# Altium PCB Payload_PCB.PcbDoc (continued)
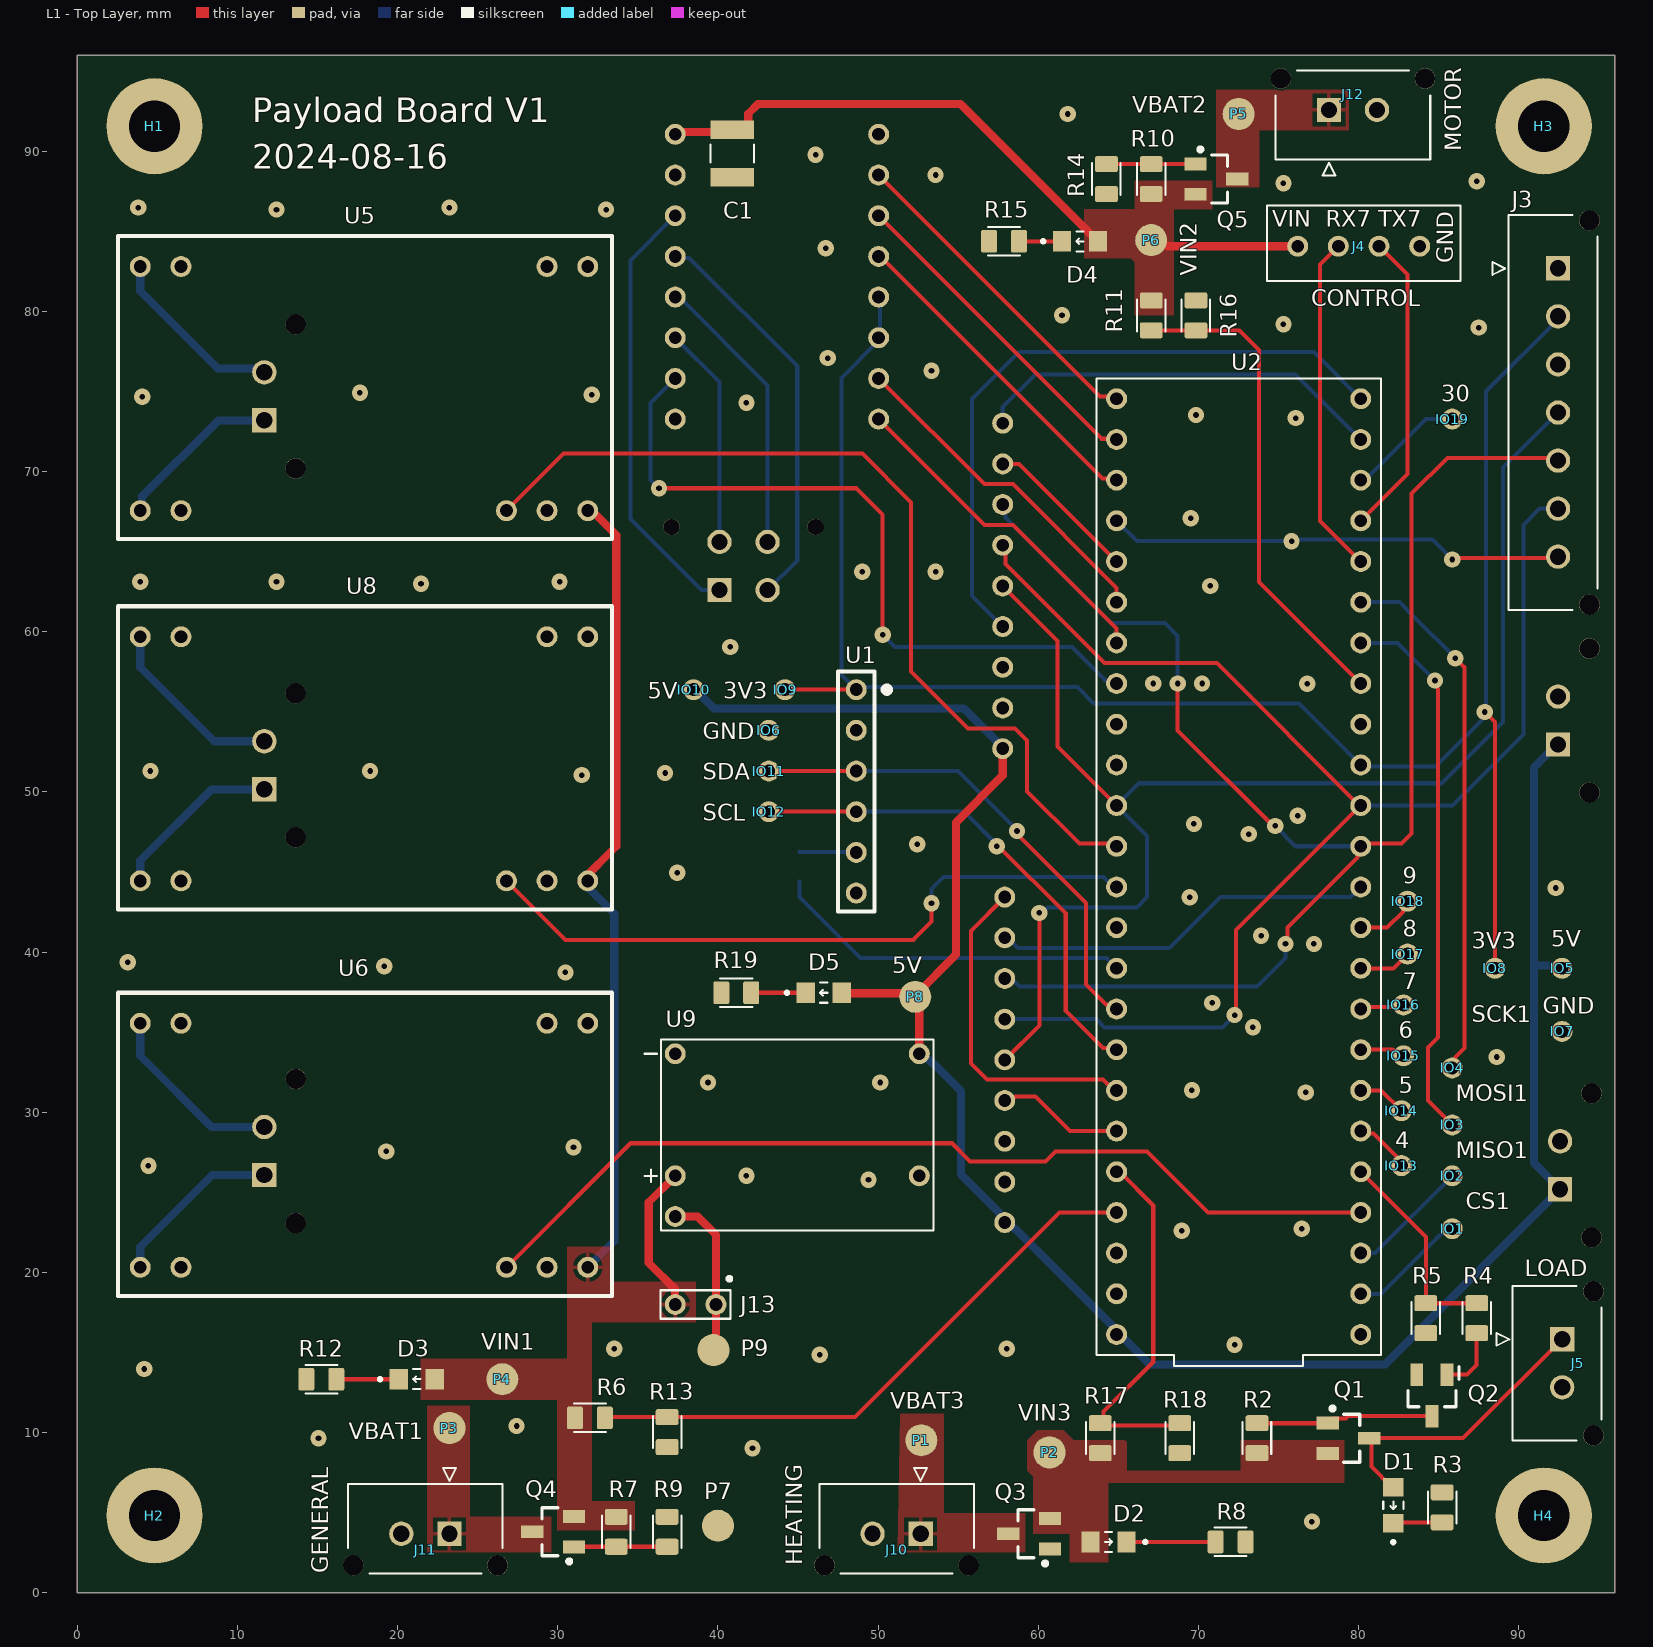
[diagram p0: L1 - Top Layer view]
## Part data (continued)
P1 P2 P3 P4 P5 P6 P7 P8 P9: "Phosphor Bronze Contact Miniature Silver Plated Surface Mount Test Points", Manufacturer="Keystone Electronics", Manufacturer Part Number=5019, Package Quantity=1, Supplier Part Number 1=06W4636, Body Material=Bronze, Category=Connectors, ComponentLink1Description=https://datasheet.ciiva.com/16318/m60-2p61-16318395.pdf?src-supplier=Future+Electronics, ComponentLink1URL=https://datasheet.ciiva.com/16318/m60-2p61-16318395.pdf?src-supplier=Future+Electronics, ComponentLink2Description=https://datasheet.ciiva.com/16885/70182998-16885945.pdf?src-supplier=Allied+Electronics, ComponentLink2URL=https://datasheet.ciiva.com/16885/70182998-16885945.pdf?src-supplier=Allied+Electronics, ComponentLink3Description=https://datasheet.ciiva.com/14848/m60-2p61-14848437.pdf?src-supplier=Digi-Key, ComponentLink3URL=https://datasheet.ciiva.com/14848/m60-2p61-14848437.pdf?src-supplier=Digi-Key, ComponentLink4Description=https://datasheet.ciiva.com/14848/m60-2p61-14848438.pdf?src-supplier=Digi-Key, ComponentLink4URL=https://datasheet.ciiva.com/14848/m60-2p61-14848438.pdf?src-supplier=Digi-Key, ComponentLink5Description=https://datasheet.ciiva.com/14848/m60-2p61-14848439.pdf?src-supplier=Digi-Key, ComponentLink5URL=https://datasheet.ciiva.com/14848/m60-2p61-14848439.pdf?src-supplier=Digi-Key, Contact Material=Bronze, Contact Plating=Silver, Height=0.09inch, Lead Free="Lead Free", Material=Bronze, Mount="Surface Mount,PCB", Number of Pins=1, Packaging="Tape and Reel", Plating=Silver, Pricing 1="1=0.12300, 1000=0.12300, 2000=0.11700, 4000=0.11300, 6000=0.11000 (USD)", Reach SVHC Compliant=Yes, RoHS=Yes, RoHS Compliant=Yes, Series=5019, Stock 1=148000, Supplier 1=Newark, Termination=SMD/SMT
Q1 Q3 Q4 Q5: "Small Signal Field-Effect Transistor, 4.3A I(D), 30V, 1-Element, P-Channel, Silicon, Metal-oxide Semiconductor FET", Drain Current-Max (Abs) (ID)=4.3A, Drain-source On Resistance-Max=48mR, DS Breakdown Voltage-Min=30V, Manufacturer="Alpha & Omega Semiconductor", Max Operating Temperature=150°C, Operating Mode="ENHANCEMENT MODE", Package Body Material=Plastic, Package Shape=Rectangular, Package Style="SMALL OUTLINEMeter", Power Dissipation-Max (Abs)=1.4W, Supplier Part Number=785-1006-1-ND, Category=MOSFETs, ComponentLink1Description=https://datasheet.ciiva.com:443/pdfs/VipMasterIC/IC/ALOM/ALOMS01464/ALOMS01464-1.pdf?src-supplier=IHS+Markit, ComponentLink1URL=https://datasheet.ciiva.com:443/pdfs/VipMasterIC/IC/ALOM/ALOMS01464/ALOMS01464-1.pdf?src-supplier=IHS+Markit, ComponentLink2Description=https://datasheet.ciiva.com/940/ao3407a-940745.pdf?src-supplier=Digikey, ComponentLink2URL=https://datasheet.ciiva.com/940/ao3407a-940745.pdf?src-supplier=Digikey, ComponentLink3Description=https://datasheet.ciiva.com/940/ao3407a-940747.pdf?src-supplier=Digikey, ComponentLink3URL=https://datasheet.ciiva.com/940/ao3407a-940747.pdf?src-supplier=Digikey, ComponentLink4Description=https://datasheet.ciiva.com/18057/getdatasheetpartid-64436-18057110.pdf?src-supplier=Verical, ComponentLink4URL=https://datasheet.ciiva.com/18057/getdatasheetpartid-64436-18057110.pdf?src-supplier=Verical, Drain Current-Max (ID)=4.3A, Feedback Cap-Max (Crss)=90pF, FET Technology="METAL-OXIDE SEMICONDUCTOR", JESD-30 Code=R-PDSO-G3, JESD-609 Code=e3, Manufacturer Part Number=AO3407A, Moisture Sensitivity Level=1, Number of Elements=1, Pins=3, Polarity/Channel Type=P-CHANNEL, Pricing="1=0.31, 10=0.22, 100=0.1112, 500=0.09854, 1000=0.07668 (USD)", Qualification Status="Not Qualified", Reach SVHC Compliant=Yes, RoHS=Yes, RoHS Compliant=Yes, Stock=856157, Supplier=Digikey, Surface Mount=Yes, Terminal Finish=Tin, Terminal Form="Gull Wing", Terminal Position=DUAL, Transistor Application=SWITCHING, Transistor Element Material=SILICON
Q2: library part BSS123_1, "Small Signal Field-Effect Transistor, 0.17A I(D), 100V, 1-Element, N-Channel, Silicon, Metal-oxide Semiconductor FET, TO-236", Drain Current-Max (Abs) (ID)=170mA, Drain-source On Resistance-Max=10R, DS Breakdown Voltage-Min=100V, Manufacturer="ON Semiconductor / Fairchild", Max Operating Temperature=150°C, Operating Mode="ENHANCEMENT MODE", Package Body Material=Plastic, Package Shape=Rectangular, Package Style="SMALL OUTLINEMeter", Power Dissipation-Max (Abs)=360mW, Supplier Part Number=BSS123NCT-ND, Category=MOSFETs, ComponentLink1Description=https://datasheet.ciiva.com:443/pdfs/VipMasterIC/IC/ONSM/ONSM-S-A0003158648/ONSM-S-A0003544094-1.pdf?src-supplier=IHS+Markit, ComponentLink1URL=https://datasheet.ciiva.com:443/pdfs/VipMasterIC/IC/ONSM/ONSM-S-A0003158648/ONSM-S-A0003544094-1.pdf?src-supplier=IHS+Markit, Drain Current-Max (ID)=170mA, Feedback Cap-Max (Crss)=6pF, FET Technology="METAL-OXIDE SEMICONDUCTOR", JESD-30 Code=R-PDSO-G3, Manufacturer Part Number=BSS123, Moisture Sensitivity Level=1, Number of Elements=1, Pins=3, Polarity/Channel Type=N-CHANNEL, Pricing="1=0.35, 10=0.246, 100=0.1244, 500=0.10144, 1000=0.07527 (USD)", Qualification Status="Not Qualified", Reach SVHC Compliant=Yes, RoHS=Yes, RoHS Compliant=Yes, Stock=15036, Supplier=Digikey, Surface Mount=Yes, Terminal Form="Gull Wing", Terminal Position=DUAL, Transistor Application=SWITCHING, Transistor Element Material=SILICON
R1 R2 R3 R4 R5 R6 R7 R8 R9 R10 R11 R12 R13 R14 R15 R16 R17 R18 R19: library part "Resistor 0805", Package=0805, Power_Rating=".25 W", Resistance=.39, Tolerance=1%, Availability=Unavailable, EU_RoHS_Compliance="Compliant with Exemptions", MF="TE Connectivity", MP=2-2176053-2, Price=None, SnapEDA_Link=https://www.snapeda.com/parts/2-2176053-2/TE%20Connectivity/view-part/2214511/?ref=snap
U1: "10 DOF IMU Sensor, ICM20948 Onboard, Low Power, High Precision"
U2: "iMXRT1062 Microcontroller Development Board 600MHz CPU 1GB RAM 8MB Flash", Manufacturer=SparkFun, Manufacturer Part Number=DEV-16771, Supplier Part Number=1568-DEV-16771-ND, Category="Embedded Processors and Controllers", ComponentLink1Description=https://media.digikey.com/pdf/Data%20Sheets/Sparkfun%20PDFs/DEV-16771_Web.pdf?src-supplier=Digikey, ComponentLink1URL=https://media.digikey.com/pdf/Data%20Sheets/Sparkfun%20PDFs/DEV-16771_Web.pdf?src-supplier=Digikey, Pricing="1=37.2 (USD)", RoHS=No, Stock=2404, Supplier=Digikey
U3: "Banana Plug; Female to Multi-Stacking Banana Plug; Nickel Plated Brass", Manufacturer="Adafruit Industries", Manufacturer Part Number=3072, Supplier Part Number=1528-1667-ND, Category="RF Semiconductors and Devices", ComponentLink1Description=https://learn.adafruit.com/downloads/pdf/adafruit-rfm69hcw-and-rfm96-rfm95-rfm98-lora-packet-padio-breakouts.pdf?src-supplier=Digikey, ComponentLink1URL=https://learn.adafruit.com/downloads/pdf/adafruit-rfm69hcw-and-rfm96-rfm95-rfm98-lora-packet-padio-breakouts.pdf?src-supplier=Digikey, Pricing="1=19.95 (USD)", RoHS=No, Stock=109, Supplier=Digikey
U4: "Adafruit RFM95W LoRa Radio Transceiver Breakout - 868 or 915 MHz", Manufacturer="Adafruit Industries", Manufacturer Part Number=3072, Supplier Part Number=1528-1667-ND, Category="RF Semiconductors and Devices", ComponentLink1Description=https://learn.adafruit.com/downloads/pdf/adafruit-rfm69hcw-and-rfm96-rfm95-rfm98-lora-packet-padio-breakouts.pdf?src-supplier=Digikey, ComponentLink1URL=https://learn.adafruit.com/downloads/pdf/adafruit-rfm69hcw-and-rfm96-rfm95-rfm98-lora-packet-padio-breakouts.pdf?src-supplier=Digikey, Pricing="1=19.95 (USD)", RoHS=No, Stock=109, Supplier=Digikey
U5 U6 U8: "LED DC/DC Converter 10-56Vdc Input, 700mA Output, Board mount", Manufacturer="Mean Well", Supplier Part Number=1866-NLDD-700H-ND, ComponentLink1Description=https://datasheet.octopart.com/NLDD-700H-Mean-Well-datasheet-158237201.pdf?src-supplier=Component+Distributors+Inc., ComponentLink1URL=https://datasheet.octopart.com/NLDD-700H-Mean-Well-datasheet-158237201.pdf?src-supplier=Component+Distributors+Inc., Manufacturer Part Number=NLDD-700H, Pricing="1=5.45 (USD)", RoHS=No, Stock=280, Supplier=Digikey
U7: "DRV8825 Stepper Motor Driver Carrier, High Current"
U9: "3-15VDC to 5VDC Step Down Regulator/Converter Module @ 600mA"

## Via types
v1: diameter 1.016, hole 0.35, L1 - Top Layer to L4 - Bottom Layer, tented both sides, 87 vias

## Nets (pads, with @x,y where several pads share a name; then routed paths per layer and width w, separated by ;. In a path a pad name is that pad's centre, name@x,y a point inside that pad or via, vN(x,y) a via of type N, cw(c..) or ccw(c..) an arc to the next point about the centre after c; other vN are vias at no path point)
+3V3: IO8.1 IO9.1 J3.2 U1.1 U2.15 U7.5 U7.6 | length 116.2
  L1 - Top Layer w0.254: IO9.1 U1.1 ; v1(87.884,54.991) 88.519,54.356 IO8.1
  L4 - Bottom Layer w0.254: U1.1 48.626,56.388 47.711,57.304 47.711,75.846 50.038,78.173 U7.6 50.124,78.445 50.124,80.813 U7.5 ; U1.1@48.641,56.396 48.786,56.542 62.443,56.542 63.459,55.526 76.286,55.526 80.122,51.689 U2.15 80.237,51.589 84.795,51.589 87.738,54.532 87.738,54.853 v1@87.876,54.991 ; v1(87.884,54.991) 87.97,55.077 87.97,75.019 92.456,79.505 J3.2
+5V: D5.2 IO5.1 IO10.1 J1.1 J2.1 P8.1 U2.48 U3.1 U4.1 U9.5 | length 133
  L1 - Top Layer w0.508: D5.2@47.732,37.465 47.765,37.432 52.101,37.432 52.322,37.211 52.322,37.305 54.862,39.845 54.862,48.1 57.783,51.021 U3.1@57.783,52.705 ; U9.5@52.576,33.655 P8.1@52.576,36.43
  L4 - Bottom Layer w0.508: IO10.1@38.479,56.388 IO10.1 38.573,56.388 39.749,55.212 55.37,55.212 57.783,52.799 U3.1@57.783,52.705 ; U9.5@52.579,33.654 52.793,33.654 53.401,33.045 53.459,33.045 55.186,31.318 55.186,26.111 57.554,23.743 57.554,23.688 57.911,23.332 U4.1@57.911,23.114 ; U4.1@57.913,23.113 58.13,23.113 58.535,22.707 58.589,22.707 64.744,16.553 64.744,16.279 U2.48@64.896,16.128 ; U2.48@64.898,16.128 65.115,16.128 66.978,14.264 81.655,14.264 92.077,24.686 92.077,24.688 92.581,25.192 J1.1@92.583,25.192 ; J2.1 91.95,52.453 91.901,52.453 91.652,52.205 91.626,52.205 90.944,51.523 90.944,39.156 ; J1.1 90.944,26.833 90.944,39.156 ; IO5.1@92.707,38.989 92.554,39.142 92.025,39.142 92.011,39.156 90.944,39.156
A1: J6.4 U7.12 | length 17.8
  L4 - Bottom Layer w0.254: U7.12 37.592,80.899 43.101,75.39 J6.4
A2: J6.3 U7.11 | length 13.9
  L4 - Bottom Layer w0.254: U7.11 40.101,75.596 J6.3
B1: J6.2 U7.13 | length 25.2
  L4 - Bottom Layer w0.254: U7.13 37.435,83.342 38.197,83.342 44.958,76.581 44.958,64.465 J6.2
B2: J6.1 U7.14 | length 27.5
  L4 - Bottom Layer w0.254: U7.14 34.544,83.185 34.544,67.056 38.992,62.608 J6.1
CS: U2.12 U4.8 | length 24.1
  L4 - Bottom Layer w0.254: U4.8 58.113,40.894 58.748,40.259 68.199,40.259 71.374,43.434 79.502,43.434 U2.12
CS1: IO1.1 U2.2 | length 7.1
  L4 - Bottom Layer w0.254: U2.2 81.407,18.669 85.184,22.446 85.279,22.446 85.365,22.531 85.419,22.531 IO1.1@85.598,22.352
CS_1: U2.29 U3.8 | length 9.6
  L1 - Top Layer w0.254: U3.8 58.801,70.485 U2.29
CS_2: J3.7 U2.28 | length 28.6
  L1 - Top Layer w0.254: v1(85.852,64.516) 85.94,64.604 92.368,64.604 J3.7
  L4 - Bottom Layer w0.254: U2.28 66.167,65.659 v1(75.819,65.659) ; v1@75.918,65.758 84.61,65.758 v1(85.852,64.516)
G0: U2.43 U4.4 | length 8
  L1 - Top Layer w0.254: U4.4 58.114,30.936 58.535,30.936 58.588,30.988 59.817,30.988 61.976,28.829 U2.43
G0_1: U2.24 U3.4 | length 41.7
  L4 - Bottom Layer w0.254: U3.4 55.88,62.23 55.88,74.549 58.801,77.47 77.216,77.47 U2.24
GND: C1.1 IO6.1 IO7.1 J1.2 J2.2 J3.1 J3.3 J4.4 J5.2 J10.2 J11.2 J12.2 P7.1 Q2.2 Q3.1 R3.1 R5.1 R8.1 R9.1 R12.1 R13.1 R14.1 R15.1 R16.1 R18.2 R19.1 U1.2 U2.1 U2.34 U2.47 U3.2 U4.2 U5.9 U6.9 U7.9 U7.15 U8.9 U9.3 U9.4
  other v1: 77.089,4.445 42.164,9.017 15.066,9.652 27.432,10.414 4.191,13.97 46.355,14.859 33.528,15.24 58.039,15.24 72.263,15.494 68.961,22.606 76.454,22.733 49.403,25.781 41.783,26.035 4.445,26.67 19.304,27.559 30.988,27.813 76.708,31.242 69.596,31.369 39.382,31.861 50.133,31.861 88.622,33.453 73.406,35.306 70.866,36.83 30.48,38.735 19.177,39.116 3.156,39.37 77.216,40.513 73.914,41.021 69.469,43.434 92.307,44.007 37.465,44.958 52.451,46.736 73.152,47.371 69.723,48.006 76.2,48.514 31.496,51.054 36.703,51.181 4.572,51.308 18.288,51.308 76.794,56.755 67.183,56.769 70.231,56.769 40.767,59.055 70.739,62.865 21.463,62.992 3.937,63.119 12.446,63.119 30.118,63.119 49.022,63.754 53.594,63.754 69.524,67.096 76.078,73.342 69.85,73.533 41.783,74.295 4.064,74.676 32.131,74.803 17.653,74.93 53.34,76.299 46.863,77.089 87.503,78.994 75.311,79.196 61.486,79.768 46.736,83.947 12.446,86.36 33.02,86.36 3.81,86.487 23.241,86.487 75.311,88.011 87.376,88.138 53.594,88.519 46.101,89.789 61.849,92.329
INT: R1.1 U2.39 | length 22.6
  L4 - Bottom Layer w0.254: R1.1 45.085,43.434 48.895,39.624 64.262,39.624 U2.39
IO1: IO13.1 U2.6 | length 3.7
  L1 - Top Layer w0.254: U2.6 80.297,28.669 80.932,28.669 IO13.1@82.931,26.67
IO2: IO14.1 U2.7 | length 3.1
  L1 - Top Layer w0.254: U2.7 81.407,31.369 IO14.1
IO3: IO15.1 U2.8 | length 2.8
  L1 - Top Layer w0.254: U2.8 82.138,33.909 82.519,33.528 IO15.1
IO4: IO16.1 U2.9 | length 2.8
  L1 - Top Layer w0.254: U2.9@80.264,36.576 IO16.1@82.677,36.576
  L1 - Top Layer w0.508: U2.9 U2.9@80.264,36.576 ; IO16.1@82.677,36.576 IO16.1
IO5: IO17.1 U2.10 | length 3.3
  L1 - Top Layer w0.254: U2.10 82.169,38.989 IO17.1
IO6: IO18.1 U2.11 | length 3.8
  L1 - Top Layer w0.254: U2.11 81.788,41.529 82.771,42.512 82.771,42.607 83.058,42.895 IO18.1
IO10: IO19.1 U2.22 | length 7.3
  L4 - Bottom Layer w0.254: U2.22 80.391,69.469 84.201,73.279 IO19.1
MISO: J3.6 U2.14 U3.6 U4.6 | length 88.7
  L1 - Top Layer w0.254: U3.6 57.952,65.238 57.952,64.222 64.135,58.039 71.152,58.039 80.042,49.149 U2.14 72.359,41.371 72.359,36.164 v1(72.263,36.068)
  L4 - Bottom Layer w0.254: U4.6 63.627,35.814 64.135,35.306 71.501,35.306 v1(72.263,36.068) ; U2.14@80.137,48.768 80.518,49.149 85.852,49.149 90.297,53.594 90.297,66.675 91.313,67.691 J3.6
MISO1: IO2.1 U2.3 | length 7.7
  L4 - Bottom Layer w0.254: U2.3 81.026,21.209 IO2.1
MOSI: J3.5 U2.13 U3.7 U4.7 | length 96.9
  L1 - Top Layer w0.254: v1(68.707,56.769) 68.707,53.848 74.676,47.879 v1(74.803,47.879) ; v1(75.438,40.513) 75.565,40.64 75.565,41.529 79.935,45.899 79.935,46.407 U2.13 ; U2.13@80.307,46.779 82.672,46.779 83.307,47.414 83.307,68.623 85.545,70.861 92.286,70.861 J3.5
  L4 - Bottom Layer w0.254: U3.7 57.945,67.785 57.945,67.15 64.549,60.546 67.912,60.546 68.707,59.75 v1@68.707,56.971 ; U4.7 58.114,38.152 58.516,38.152 58.823,37.846 73.66,37.846 75.438,39.624 v1(75.438,40.513) ; v1(74.803,47.879) 76.073,46.609 79.883,46.609 U2.13@80.137,46.863
MOSI1: IO3.1 U2.18 | length 34.3
  L1 - Top Layer w0.254: v1(84.772,56.959) 84.918,56.814 84.918,56.474 84.963,56.43 84.963,34.671 84.328,34.036 84.328,30.734 IO3.1
  L4 - Bottom Layer w0.254: U2.18 82.423,59.309 v1(84.772,56.959)
NetD1_1: D1.1 R3.2 | length 3.1
  L1 - Top Layer w0.254: D1.1 82.232,4.399 R3.2
NetD1_2: D1.2 J5.1 Q1.3 | length 18.3
  L1 - Top Layer w0.254: D1.2 82.094,6.586 80.803,7.877 80.803,9.524 Q1.3 86.535,9.652 J5.1
NetD2_1: D2.1 R8.2 | length 5.6
  L1 - Top Layer w0.254: D2.1 R8.2
NetD3_1: D3.1 R12.2 | length 3.9
  L1 - Top Layer w0.254: R12.2 D3.1
NetD4_1: D4.1 R15.2 | length 2.2
  L1 - Top Layer w0.254: R15.2@59.263,84.381 D4.1
NetD5_1: D5.1 R19.2 | length 3.4
  L1 - Top Layer w0.254: R19.2 D5.1
NetJ7_1: J7.1 U5.5 | length 10.5
  L4 - Bottom Layer w0.508: U5.5 4.049,67.676 4.049,68.438 8.811,73.2 J7.1
NetJ7_2: J7.2 U5.6 | length 11.4
  L4 - Bottom Layer w0.508: U5.6 3.937,81.28 8.775,76.442 11.442,76.442 J7.2
NetJ8_1: J8.1 U6.5 | length 10.9
  L4 - Bottom Layer w0.508: U6.5 3.937,21.59 8.43,26.083 J8.1
NetJ8_2: J8.2 U6.6 | length 11.6
  L4 - Bottom Layer w0.508: U6.6 3.937,33.528 8.382,29.083 J8.2
NetJ9_1: J9.1 U8.5 | length 10.7
  L4 - Bottom Layer w0.508: U8.5 3.937,45.72 8.382,50.165 J9.1@11.557,50.165
NetJ9_2: J9.2 U8.6 | length 11.4
  L4 - Bottom Layer w0.508: U8.6 3.937,57.785 8.557,53.165 J9.2@11.557,53.165
NetJ13_1: J13.1 P9.1 U9.1 | length 10.3
  L1 - Top Layer w0.508: U9.1 37.344,23.489 38.741,23.489 39.878,22.352 39.878,15.306 P9.1
NetQ1_1: Q1.1 Q2.3 R2.1 | length 11.1
  L1 - Top Layer w0.254: R2.1 78.06,10.587 Q1.1 78.348,10.875 79.201,10.875 79.356,11.03 Q2.3@84.582,11.03
NetQ2_1: Q2.1 R4.1 | length 4.1
  L1 - Top Layer w0.254: Q2.1 86.771,13.619 87.376,14.224 R4.1
NetQ4_1: Q4.1 R7.2 R9.2 | length 5.8
  L1 - Top Layer w0.254: Q4.1 31.033,2.875 R7.2 R9.2
NetQ5_1: Q5.1 R10.2 R14.2 | length 5.6
  L1 - Top Layer w0.254: R14.2 R10.2 69.805,89.2 Q5.1
NetR1_2: R1.2 U1.5 | length 3.6
  L1 - Top Layer w0.254: U1.5@48.618,46.251 U1.5
  L4 - Bottom Layer w0.254: R1.2 45.108,46.251 48.618,46.251 U1.5
NetR4_2: R4.2 R5.2 U2.5 | length 13.1
  L1 - Top Layer w0.254: U2.5 84.201,22.225 R5.2 R4.2
NetR6_1: R6.1 R13.2 U2.45 | length 37.3
  L1 - Top Layer w0.254: R6.1 32.985,10.968 R13.2 48.56,10.968 61.341,23.749 U2.45
NetR11_1: R11.1 R16.2 U2.17 | length 30.7
  L1 - Top Layer w0.254: R11.1 R16.2 72.563,78.821 73.787,77.597 73.787,63.119 U2.17
NetR17_2: R17.2 R18.1 U2.44 | length 23.2
  L1 - Top Layer w0.254: U2.44 65.076,26.289 67.183,24.182 67.183,14.414 64.089,11.319 64.089,10.795 R17.2 64.014,10.454 68.701,10.454 R18.1
NetU2_4: U2.4 U6.3 | length 58.9
  L1 - Top Layer w0.254: U6.3 34.544,28.067 54.61,28.067 55.753,26.924 60.452,26.924 61.087,27.559 66.802,27.559 70.612,23.749 U2.4
NetU2_25: U2.25 U7.2 | length 20.6
  L1 - Top Layer w0.254: U7.2 63.862,74.695 64.751,74.695 U2.25
NetU2_26: U2.26 U7.3 | length 20.6
  L1 - Top Layer w0.254: U7.3 63.962,72.055 64.851,72.055 U2.26
NetU2_27: U2.27 U7.4 | length 20.6
  L1 - Top Layer w0.254: U7.4 50.157,83.439 64.027,69.569 64.797,69.569 U2.27
NetU2_30: U2.30 U7.7 | length 21.2
  L1 - Top Layer w0.254: U7.7 56.642,69.215 58.42,69.215 64.897,62.738 U2.30
NetU2_31: U2.31 U7.8 | length 21.2
  L1 - Top Layer w0.254: U7.8 56.642,66.675 58.42,66.675 64.897,60.198 U2.31
NetU2_32: U2.32 U7.10 | length 45.7
  L1 - Top Layer w0.254: v1(36.322,68.961) 48.641,68.961 50.292,67.31 v1(50.292,59.817)
  L4 - Bottom Layer w0.254: v1(36.322,68.961) 36.315,68.961 35.795,69.481 35.795,74.276 U7.10 ; v1(50.292,59.817) 51.054,59.055 62.103,59.055 64.187,56.971 64.695,56.971 U2.32
NetU2_36: U2.36 U5.3 | length 57.8
  L1 - Top Layer w0.254: U5.3 30.353,71.12 49.022,71.12 52.07,68.072 52.07,57.531 55.626,53.975 58.547,53.975 59.309,53.213 59.309,50.038 62.578,46.769 64.737,46.769 U2.36
NetU2_37: U2.37 U8.3 | length 42.7
  L1 - Top Layer w0.254: U8.3 30.48,40.767 52.197,40.767 53.34,41.91 v1(53.34,43.053)
  L4 - Bottom Layer w0.254: v1(53.34,43.053) 53.34,43.942 54.102,44.704 64.068,44.704 64.703,44.069 U2.37
RST: U2.42 U4.9 | length 21.1
  L1 - Top Layer w0.254: U4.9 55.794,41.316 55.794,33.061 56.81,32.045 64.049,32.045 64.726,31.369 U2.42
RST_1: U2.23 U3.9 | length 25.9
  L4 - Bottom Layer w0.254: U3.9 57.785,74.041 59.817,76.073 76.073,76.073 U2.23
RX7: J4.2 U2.20 | length 21.2
  L1 - Top Layer w0.254: J4.2 77.597,82.931 77.597,66.929 U2.20
SCK: J3.4 U2.35 U3.5 U4.5 | length 87.4
  L1 - Top Layer w0.254: U3.5 61.214,59.436 61.214,52.832 U2.35 ; U4.5 60.071,35.433 v1(60.071,42.449)
  L4 - Bottom Layer w0.254: v1(60.071,42.449) 60.251,42.449 60.601,42.799 66.167,42.799 66.802,43.434 66.802,47.244 U2.35 66.294,50.546 85.217,50.546 89.027,54.356 89.027,70.262 J3.4
SCK1: IO4.1 U2.19 | length 33.4
  L1 - Top Layer w0.254: IO4.1@85.719,32.887 86.054,33.222 86.054,33.453 86.614,34.013 86.614,57.785 v1(86.042,58.356)
  L4 - Bottom Layer w0.254: U2.19 82.55,61.849 83.439,60.96 v1(86.042,58.356)
SCL: IO12.1 U1.4 U2.41 | length 31.5
  L1 - Top Layer w0.254: IO12.1 U1.4 ; v1(57.404,46.609) 57.531,46.609 61.722,42.418 61.722,36.322 64.038,34.006 64.8,34.006 U2.41
  L4 - Bottom Layer w0.254: U1.4 55.372,48.768 57.404,46.736 v1(57.404,46.609)
SDA: IO11.1 U1.3 U2.40 | length 31
  L1 - Top Layer w0.254: IO11.1 U1.3 ; v1(58.674,47.561) 58.674,47.371 62.992,43.053 62.992,37.973 64.229,36.736 64.324,36.736 64.612,36.449 U2.40
  L4 - Bottom Layer w0.254: U1.3 54.991,51.308 58.674,47.625 v1(58.674,47.561)
TX7: J4.3 U2.21 | length 19.1
  L1 - Top Layer w0.254: U2.21 83.058,69.85 83.058,82.296 J4.3
VBAT1: J11.1 P3.1 Q4.3 | length 0
VBAT2: J12.1 P5.1 Q5.3
VBAT3: J10.1 P1.1 Q3.3
VIN1: D3.2 J13.2 P4.1 Q4.2 R6.2 R7.1 U5.1 U6.1 U8.1 U9.2 | length 60.4
  L1 - Top Layer w0.508: U8.1@31.496,44.45 33.655,46.609 33.655,66.04 32.284,67.411 31.776,67.411 U5.1@31.623,67.564 ; J13.2 37.321,18.017 37.321,18.969 35.687,20.603 35.687,24.384 U9.2 U9.2@37.465,26.162
  L4 - Bottom Layer w0.508: U8.1@31.496,44.45 33.528,42.418 33.528,21.971 U6.1
VIN2: C1.2 D4.2 J4.1 P6.1 Q5.2 R10.1 R11.2 U7.16 | length 40.5
  L1 - Top Layer w0.508: U7.16 37.48,91.201 41.427,91.201 41.895,91.668 41.895,92.343 42.516,92.964 55.153,92.964 63.34,84.777 63.415,84.777 63.736,84.456 D4.2 ; P6.1 67.39,84.121 68.031,84.121 68.078,84.074 J4.1
VIN3: D2.2 P2.1 Q1.2 Q3.2 R2.2 R17.1 | length 0.1
  L1 - Top Layer w0.5: D2.2 D2.2@63.264,3.25
pads on no net: H1.1 H2.1 H3.1 H4.1 J1. J2. J3. J5. J6. J7. J8. J9. J10. J11. J12. U1.6 U2.16 U2.33 U2.38 U2.46 U3.3 U4.3 U5.2 U5.4 U5.7 U5.8 U6.2 U6.4 U6.7 U6.8 U7.1 U8.2 U8.4 U8.7 U8.8

## Polygon pours and split planes (outlines as drawn)
VBAT3 on L1 - Top Layer "VBAT3_L01_P000" (solid, pour order 0): 51.374,11.176 54.102,11.176 54.102,4.953 59.182,4.953 59.182,2.54 51.242,2.54
VIN3 on L1 - Top Layer "VIN3_L01_P008" (solid, pour order 8): 79.121,9.525 72.644,9.525 72.644,7.62 65.514,7.62 65.514,9.416 65.405,9.525 62.23,9.525 61.595,10.16 59.944,10.16 59.309,9.525 59.309,7.62 59.69,7.239 59.69,5.334 59.69,3.683 61.976,3.683 61.976,1.905 64.389,1.905 64.389,6.858 79.121,6.858
VBAT1 on L1 - Top Layer "VBAT1_L01_P013" (solid, pour order 13): 21.844,11.684 24.511,11.684 24.511,4.76 29.591,4.76 29.591,2.54 21.844,2.54
VIN1 on L1 - Top Layer "VIN1_L01_P014" (solid, pour order 14): 33.274,19.431 38.608,19.431 38.608,16.891 32.131,16.891 32.131,5.715 34.798,5.715 34.798,3.909 29.972,3.909 29.972,12.065 21.463,12.065 21.463,14.605 30.607,14.605 30.607,21.59 33.274,21.59
VIN2 on L1 - Top Layer "VIN2_L01_P017" (solid, pour order 17): 70.866,88.15 66.04,88.149 66.04,86.372 62.865,86.372 62.865,83.324 65.786,83.324 66.04,83.07 66.04,79.768 68.453,79.768 68.453,86.372 70.866,86.372
VBAT2 on L1 - Top Layer "VBAT2_L01_P020" (solid, pour order 20): 71.12,93.853 71.12,87.757 73.787,87.757 73.787,91.313 79.375,91.313 79.375,93.853 73.533,93.853
GND on L1 - Top Layer "NONET_L01_P021" (solid, remove dead copper, shelved, pour order 21): 0,96 96,96 96,0 0,0
GND on L4 - Bottom Layer "GND_L01_P021" (solid, remove dead copper, shelved, pour order 6): 0,96.012 96.012,96.012 96.012,0 0,0
GND on L3 - GND "GND_L01_P021" (solid, remove dead copper, shelved, pour order 4): 0.115,95.885 2.032,96 96,96 96,0 0.115,0
GND on L2 - GND "GND_L01_P021" (solid, remove dead copper, shelved, pour order 3): 0,96.012 1.282,96.012 96,96.012 96,2.818 96.012,0 0,0.012

## Silkscreen, mask and mechanical layers (free items; w line width, h text height)
Top Overlay:
  lines w0.127: 74.295,81.915 86.36,81.915 86.36,83.344 86.36,85.185 86.36,86.614 74.295,86.614 74.295,81.915
  text "VBAT2" at 65.862,92.405 h1.02
  text "Payload Board V1" at 10.922,91.821 h1.52
  text "MOTOR" at 86.411,89.992 h1.02 r90
  text "2024-08-16" at 10.922,88.9 h1.52
  text "VIN" at 74.625,85.293 h1.02
  text "RX7" at 77.956,85.293 h1.02
  text "TX7" at 81.229,85.293 h1.02
  text "GND" at 85.903,83.007 h1.02 r90
  text "VIN2" at 69.901,82.245 h1.02 r90
  text "CONTROL" at 77.038,80.34 h1.02
  text "30" at 85.166,74.371 h1.02
  text "5V" at 35.636,55.829 h1.02
  text "3V3" at 40.335,55.829 h1.02
  text "GND" at 39.065,53.289 h1.02
  text "SDA" at 39.065,50.749 h1.02
  text "SCL" at 39.065,48.209 h1.02
  text "9" at 82.753,44.272 h1.02
  text "8" at 82.753,40.97 h1.02
  text "5V" at 92.024,40.335 h1.02
  text "3V3" at 87.071,40.208 h1.02
  text "5V" at 50.876,38.684 h1.02
  text "7" at 82.753,37.668 h1.02
  text "GND" at 91.516,36.144 h1.02
  text "SCK1" at 87.071,35.636 h1.02
  text "6" at 82.499,34.62 h1.02
  text "5" at 82.499,31.191 h1.02
  text "MOSI1" at 86.055,30.683 h1.02
  text "4" at 82.308,27.762 h1.02
  text "MISO1" at 86.055,27.127 h1.02
  text "CS1" at 86.69,23.952 h1.02
  text "LOAD" at 90.373,19.761 h1.02
  text "VIN1" at 25.222,15.189 h1.02
  text "VBAT3" at 50.749,11.506 h1.02
  text "VIN3" at 58.75,10.744 h1.02
  text "VBAT1" at 16.967,9.601 h1.02
  text "HEATING" at 45.263,1.727 h1.02 r90
  text "GENERAL" at 15.672,1.219 h1.02 r90
Bottom Overlay:
  text "LED1" at 13.132,80.467 h1.02
  text "MOTOR" at 44.247,69.672 h1.02
  text "LED2" at 13.132,57.48 h1.02
  text "AMP1" at 94.848,47.574 h1.02
  text "LED3" at 13.005,33.096 h1.02
  text "AMP2" at 94.594,32.334 h1.02
Mechanical 1:
  lines w0.4: 0.127,0 96.012,0 96.012,95.885 0.127,95.885 0.127,0